# KiCad board lights.kicad_pcb (continued)
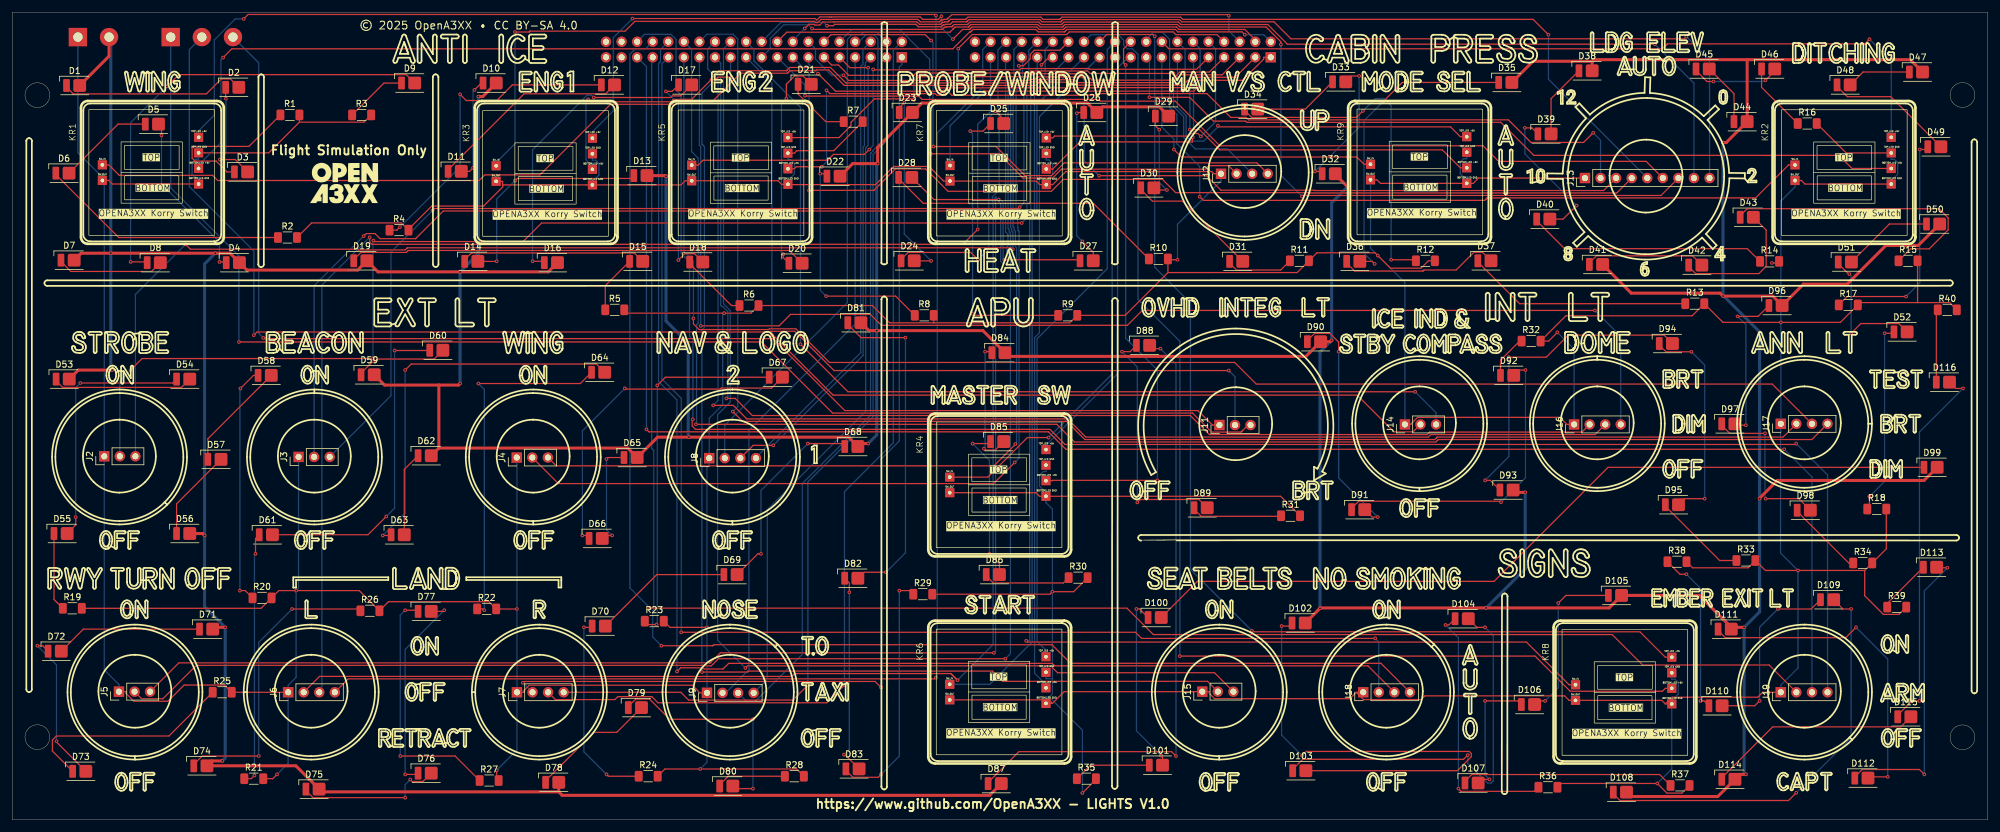
[diagram p0: board, top side]
## Routing (per net, layer and track width the routed paths; a pad name or vN(x,y) marks a point on that pad's centre or on a via; arc(x,y) is an arc through that point) (continued)
Net-(J1-Pin_6): length 146.9
  Top w0.2: 152.66,130.75 153.26,131.36 198.32,131.36 v1(198.48,131.19) ; 152.66,130.75 152.49,130.59 ; 152.66,130.75 152.49,130.59 ; 151.5,130.42 151.58,130.5 ; 151.5,130.42 151.58,130.5 ; 151.5,130.42 151.27,130.19 148.15,130.19 147.75,130.59 133.85,130.59 133.82,130.56 133.2,130.56 133.18,130.59 131.93,130.59 131.41,130.07 131.08,130.07 130.88,130.27 101.58,130.27 99.99,128.67 84.48,128.67 ; 151.58,130.5 151.85,130.5 151.94,130.59 152.49,130.59 ; 84.34,128.53 v1(82.02,128.53) ; 84.34,128.53 84.48,128.67 ; 84.34,128.53 84.48,128.67
  Bottom w0.2: KR3.5 78.95,107.23 82.02,110.3 v1(82.02,128.53) ; J1.6 198.48,128.71 v1(198.48,131.19)
Net-(J1-Pin_7): length 79.8
  Top w0.2: J1.7 195.31,122 190.47,122 190.08,121.61 190.08,121.54 189.21,120.67 176.18,120.67 175.13,121.72 166.43,121.72 165.96,121.24 v1(147.72,121.24) ; v1(147.09,117.45) 146.93,117.61 140.66,117.61 136.84,113.8 136.84,113.26 134.88,111.3 KR5.1
  Bottom w0.2: v1(147.09,117.45) 147.09,120.62 v1(147.72,121.24)
Net-(J1-Pin_8): length 92.8
  Top w0.2: 152,118.21 150.86,118.21 150.6,118.47 133.39,118.47 v1(132.85,119.01) ; 152,118.21 v1(152.2,118.41) ; 152,118.21 v1(152.2,118.41) ; 152,118.21 v1(152.2,118.41) ; v1(154.35,125.81) 154.35,125.84 156.62,128.12 172.02,128.12 172.45,128.54 189.4,128.54 189.85,128.09 196.56,128.09 J1.8 ; v1(132.06,106.54) 127.92,106.54 127.6,106.22 KR5.3
  Bottom w0.2: v1(132.85,119.01) 132.85,107.33 v1(132.06,106.54) ; v1(152.2,118.41) 152,118.21 v1(152.2,118.41) ; v1(152.2,118.41) 154.35,120.56 v1(154.35,125.81)
Net-(J1-Pin_9): length 99.1
  Top w0.2: J1.9 193.22,122.45 175.73,122.45 175.61,122.57 164.6,122.57 164.38,122.35 140.53,122.35 v1(140.46,122.43) ; v1(139.83,109.36) 139.03,108.56 133.98,108.56 133.02,107.61 112.71,107.61 111.9,106.8 KR5.5
  Bottom w0.2: v1(140.46,122.43) 140.46,109.98 v1(139.83,109.36)
Net-(J1-Pin_10): length 42.6
  Top w0.2: v1(193.91,111.49) 193.43,111.97 192.34,111.97 191.93,111.55 170.05,111.55 169.75,111.25 KR7.1
  Bottom w0.2: J1.10 196.32,125.79 196.32,113.9 v1(193.91,111.49)
Net-(J1-Pin_11): length 39.6
  Top w0.2: KR7.3 169.75,106.17 174.18,110.6 192.54,110.6 192.54,111.32 v1(192.59,111.37)
  Bottom w0.2: v1(192.59,111.37) 192.72,111.5 192.72,124.31 J1.11
Net-(J1-Pin_12): length 57.6
  Top w0.2: v1(193.41,119.5) 192.79,118.88 158.66,118.88 v1(158.59,118.81)
  Bottom w0.2: J1.12 193.79,125.78 193.79,119.88 v1(193.41,119.5) ; v1(158.59,118.81) 153,113.22 KR7.5
Net-(J1-Pin_13): length 61.6
  Top w0.2: KR9.1 236.25,111.45 234.65,113.05 196.7,113.05 v1(196.7,113.25)
  Bottom w0.2: v1(196.7,113.25) 196.7,113.05 194.36,110.71 192.34,110.71 191.52,111.54 191.52,114.85 190.09,116.28 J1.13
Net-(J1-Pin_14): length 62.9
  Top w0.2: KR9.3 236.25,106.37 233.32,109.3 197,109.3 193.69,112.6 v1(192.12,112.6)
  Bottom w0.2: v1(192.12,112.6) 192.12,119.17 191.36,119.93 191.36,125.67 J1.14
Net-(J1-Pin_15): length 48.9
  Top w0.2: KR9.5 220.55,106.95 219.36,108.14 190.74,108.14 v1(189.52,109.36)
  Bottom w0.2: J1.15 187.55,113.03 189.52,111.05 v1(189.52,109.36)
Net-(J1-Pin_16): length 134.3
  Top w0.2: 269.87,126.43 270.04,126.59 ; 269.87,126.43 269.23,125.79 188.7,125.79 J1.16 ; 269.87,126.43 270.04,126.59 ; 270.04,126.59 302.24,126.59 v1(303,127.35)
  Bottom w0.2: KR2.1 306.55,123.8 v1(303,127.35)
Net-(J1-Pin_17): length 132.6
  Top w0.2: v1(185.53,117.88) 192.08,117.88 195.97,113.99 201.22,113.99 201.42,113.79 242.85,113.79 248.24,108.4 298.02,108.4 300.16,106.26 KR2.3
  Bottom w0.2: v1(185.53,117.88) 185.53,123.88 J1.17
Net-(J1-Pin_18): length 132.9
  Top w0.2: 240.47,101.29 240.23,101.06 194.33,101.06 v1(193.73,101.66) ; 240.47,101.29 240.63,101.46 ; 240.47,101.29 240.63,101.46 ; KR2.5 289.8,106.84 284.42,101.46 240.63,101.46
  Bottom w0.2: v1(193.73,101.66) 193.73,106.57 190,110.3 190,115.03 188.82,116.22 188.82,127.33 187.66,128.49 186.17,128.49 185.01,127.33 J1.18
Net-(J1-Pin_19): length 70.2
  Bottom w0.2: KR4.1 168.65,61.45 169.01,61.45 180.33,72.77 180.33,122.67 182.06,124.4 J1.19
Net-(J1-Pin_20): length 92.5
  Top w0.2: KR4.3 169.7,55.32 169.76,55.38 v1(186.83,55.38) ; v1(181.66,123.14) 181.31,123.48 181.31,125.78 J1.20
  Bottom w0.2: v1(181.66,123.14) 181.66,78.56 186.83,73.38 v1(186.83,55.38)
Net-(J1-Pin_21): length 85.3
  Top w0.2: v1(169.07,62.36) 165.62,62.36 159.16,55.9 KR4.5
  Bottom w0.2: v1(169.07,62.36) 179.45,72.74 179.45,123.92 J1.21
Net-(J1-Pin_22): length 106.2
  Bottom w0.2: KR6.1 168.65,27.65 167.2,29.11 167.2,78.47 178.65,89.93 178.65,125.66 J1.22
Net-(J1-Pin_23): length 108.4
  Bottom w0.2: J1.23 177.27,124.4 167.57,114.71 167.57,79.45 166.79,78.67 166.79,23.9 168.12,22.57 168.65,22.57 KR6.3
Net-(J1-Pin_24): length 183.5
  Top w0.2: KR8.1 269.7,26.52 265.55,30.67 202.4,30.67 v1(202.25,30.82) ; J1.24 178.56,128.11 186.12,128.11 v1(186.4,127.83)
  Bottom w0.2: v1(202.25,30.82) 192.23,40.84 192.23,84.31 186.4,90.14 v1(186.4,127.83)
Net-(J1-Pin_25): length 115.2
  Bottom w0.2: J1.25 167.17,116.72 167.17,98.91 166.39,98.13 166.39,29.01 159.48,22.1 KR6.5
Net-(J1-Pin_26): length 194.9
  Top w0.2: v1(190.49,26.7) 248.44,26.7 254.17,20.97 269.23,20.97 269.7,21.44 KR8.3
  Bottom w0.2: v1(190.49,26.7) 190.49,78.07 183.67,84.89 183.67,124.87 182.75,125.79 181.93,125.79 181.32,126.4 181.32,127.19 180.42,128.09 176,128.09 J1.26
Net-(J1-Pin_27): length 191.6
  Top w0.2: KR8.5 254,22.02 247.03,28.99 165.62,28.99 v1(165.42,29.19)
  Bottom w0.2: 165.99,29.19 v1(165.42,29.19) 165.99,29.19 ; 165.99,29.19 165.99,98.29 166.42,98.72 166.77,99.07 166.77,118.86 J1.27
Net-(J1-Pin_28): length 215.1
  Top w0.2: 64.35,93.2 64.11,92.97 56.43,92.97 56.14,93.26 ; 64.35,93.2 64.46,93.32 ; 64.35,93.2 64.46,93.32 ; v1(28.27,93.88) 29.06,93.09 55.98,93.09 ; v1(163.26,93.06) 163,93.32 64.46,93.32 ; 56.14,93.26 55.98,93.09 ; 56.14,93.26 55.98,93.09 ; J1.28 170.92,125.55 166.75,125.55 166.08,124.88 166.08,124.14 164.96,123.02 v1(164.2,123.02)
  Bottom w0.2: v1(164.2,123.02) 164.37,122.85 164.37,121.3 162.89,119.82 162.89,119.25 162.89,96.62 163.06,96.45 163.06,96.07 163.26,95.87 v1(163.26,93.06) ; v1(28.27,93.88) 20.09,85.7 J2.3
Net-(J1-Pin_29): length 211
  Top w0.2: v1(167.92,123.17) 169.14,124.4 J1.29 ; v1(19.31,73.37) 21.18,75.25 v1(58.84,75.25) ; v1(58.92,94.5) 59.08,94.33 83.33,94.33 86.36,97.36 v1(164.69,97.36)
  Bottom w0.2: v1(164.69,97.36) 165.54,98.22 165.54,119.31 167.92,121.68 v1(167.92,123.17) ; v1(58.84,75.25) 58.84,94.42 v1(58.92,94.5) ; v1(19.31,73.37) 17.55,71.61 J2.2
Net-(J1-Pin_30): length 179.9
  Top w0.2: 65.97,94.97 70.32,99.32 v1(166.17,99.32) ; 65.97,94.97 65.8,94.81 ; 65.97,94.97 65.8,94.81 ; v1(57.33,95.22) 57.74,95.63 59.18,95.63 60.01,94.81 65.8,94.81
  Bottom w0.2: v1(57.33,95.22) 49.25,87.14 J3.2 ; J1.30 168.52,125.69 168.52,121.6 166.17,119.25 v1(166.17,99.32)
Net-(J1-Pin_31): length 168.8
  Top w0.2: v1(164.37,99.95) 164.14,99.73 68.88,99.73 v1(68.56,99.41)
  Bottom w0.2: v1(164.37,99.95) 165.04,100.63 165.04,120.13 167.23,122.31 J1.31 ; v1(68.56,99.41) 61.78,92.63 61.78,69.19 J3.3
Net-(J1-Pin_32): length 152.7
  Top w0.2: J4.2 89.1,54.85 160.1,54.85 v1(163.54,58.29)
  Bottom w0.2: 164.09,96.16 164.26,96 ; 164.09,96.16 164.09,96.54 164.04,96.6 164.04,99.43 163.77,99.71 163.77,118.99 164.6,119.83 164.6,120.39 165.84,121.64 165.84,125.55 J1.32 ; 164.09,96.16 164.26,96 ; 164.26,96 164.26,96 164.26,59.01 v1(163.54,58.29)
Net-(J1-Pin_33): length 142.4
  Top w0.2: J4.3 88.75,57.74 160.16,57.74 163.66,61.25 v1(163.66,61.3)
  Bottom w0.2: v1(163.66,61.3) 163.86,61.5 163.86,93.31 163.66,93.51 163.66,96.03 163.46,96.23 163.46,96.61 163.29,96.78 163.29,119.08 163.29,119.65 164.83,121.19 164.83,124.26 J1.33
Net-(J1-Pin_34): length 247.6
  Top w0.2: J5.2 21.11,19.74 24.58,19.74 30.04,25.2 112.84,25.2 112.93,25.1 114.03,25.1 115.2,26.27 v1(162.02,26.27)
  Bottom w0.2: J1.34 163.42,125.67 163.42,120.92 162.47,119.96 162.47,96.47 162.65,96.28 162.65,95.9 162.85,95.7 162.85,93.51 162.65,93.31 162.65,92.81 162.85,92.61 162.85,27.1 v1(162.02,26.27)
Net-(J1-Pin_35): length 261.1
  Top w0.2: 113.99,25.71 115.52,27.23 v1(160.16,27.23) ; 113.99,25.71 113.83,25.54 ; 113.99,25.71 113.83,25.54 ; J5.3 27.19,25.6 113.77,25.6 113.83,25.54
  Bottom w0.2: v1(160.16,27.23) 160.43,27.51 160.43,100.83 160.32,100.94 160.32,101.46 160.44,101.58 160.49,101.58 160.49,101.33 161.26,100.57 161.26,91.63 161.25,91.62 161.25,91.12 161.6,90.76 162.1,90.76 162.45,91.12 162.45,92.44 162.25,92.64 162.25,93.47 162.45,93.67 162.45,95.53 162.06,95.92 162.06,124.31 J1.35
Net-(J1-Pin_36): length 219.1
  Top w0.2: 153.22,23.78 v1(154.22,22.78) ; 153.22,23.78 153.14,23.85 127.62,23.85 127.46,23.69 ; 153.22,23.78 v1(154.22,22.78) ; 153.22,23.78 v1(154.22,22.78) ; J6.2 50.14,23.39 127.16,23.39 127.3,23.52 ; 127.46,23.69 127.3,23.52 ; 127.46,23.69 127.3,23.52
  Bottom w0.2: J1.36 160.82,125.61 160.82,116.07 161,115.88 161,102.75 159.92,101.66 159.92,100.77 160.03,100.66 160.03,28.59 v1(154.22,22.78)
Net-(J1-Pin_37): length 207.7
  Top w0.2: v1(58.32,95.03) 58.32,94.24 58.67,93.89 155.08,93.89 v1(157.51,96.31)
  Bottom w0.2: J6.3 50.52,21.23 50.52,87.23 v1(58.32,95.03) ; v1(157.51,96.31) 157.51,113.45 159.61,115.56 J1.37
Net-(J1-Pin_38): length 206.5
  Top w0.2: v1(150.7,23.2) 150.49,22.99 54.82,22.99 J6.4
  Bottom w0.2: v1(150.7,23.2) 150.92,23.41 150.92,112.06 158.34,119.49 158.34,125.67 J1.38
Net-(J10-Pin_1): length 165.4
  Top w0.2: v1(83.29,22.34) 83.52,22.56 140.77,22.56 v1(141.74,21.59)
  Bottom w0.2: v1(83.29,22.34) 83.34,22.34 J7.2 ; v1(141.74,21.59) 141.74,58.84 144.72,61.82 144.72,122.84 145.13,123.25 J10.1
Net-(J10-Pin_2): length 159.5
  Top w0.2: v1(135.77,21.96) 132.89,19.08 105.35,19.08 104.34,20.09 98.79,20.09 98.31,19.6 88.62,19.6 J7.3
  Bottom w0.2: J10.2 143.74,125.55 143.74,61.5 135.77,53.53 v1(135.77,21.96)
Net-(J10-Pin_3): length 149.1
  Top w0.2: J7.4 109.07,20.8 110.34,19.53 127.37,19.53 v1(129.8,21.96)
  Bottom w0.2: v1(129.8,21.96) 129.8,55.11 140.43,65.74 140.43,108.54 142.59,110.7 J10.3
Net-(J10-Pin_4): length 84.3
  Bottom w0.2: J10.4 141.03,128.5 138.93,128.5 138.7,128.26 ; 138.7,128.26 138.53,128.1 ; 138.7,128.26 138.53,128.1 ; 138.53,128.1 137.03,128.1 136.24,127.31 136.24,84.37 116.25,64.38 J8.2
Net-(J10-Pin_5): length 76.1
  Top w0.2: v1(124.16,61.09) 120.88,61.09 J8.3
  Bottom w0.2: v1(124.16,61.09) 138.83,75.76 138.83,109.78 139.03,109.98 139.03,122.96 139.19,123.12 139.19,123.54 J10.5
Net-(J10-Pin_6): length 75.7
  Bottom w0.2: J10.6 138.78,125.67 138.78,123.27 138.43,122.92 138.43,76.21 121.33,59.11 J8.4
Net-(J10-Pin_7): length 113
  Bottom w0.2: J10.7 137.51,80.86 120.17,63.53 120.17,25.06 120.22,25.01 120.22,24.52 116.4,20.7 J9.2
Net-(J10-Pin_8): length 124.1
  Bottom w0.2: J9.3 119.62,19.5 121.41,19.5 128.89,26.97 128.89,54.84 140.03,65.99 140.03,108.71 140.08,108.76 140.43,109.11 140.43,109.19 141.22,109.98 141.22,127.4 140.52,128.09 139.3,128.09 138.14,126.94 J10.8
Net-(J10-Pin_9): length 115.1
  Top w0.2: v1(139.63,122.71) 136.66,122.71 J10.9
  Bottom w0.2: J9.4 123.17,22.91 123.17,50.58 139.23,66.64 139.23,109.61 139.63,110.01 v1(139.63,122.71)
Net-(J10-Pin_10): length 86.2
  Top w0.2: 195.29,106.73 195.12,106.56 ; 195.29,106.73 198.42,106.73 J12.2 ; 195.29,106.73 195.12,106.56 ; 195.12,106.56 194.72,106.16 171.18,106.16 169.72,104.69 164.92,104.69 160.96,108.66 v1(149.86,108.66)
  Bottom w0.2: v1(149.86,108.66) 149.67,108.84 149.67,124.07 144.82,128.92 136.95,128.92 J10.10
Net-(J10-Pin_11): length 83.4
  Top w0.2: v1(189.45,121.77) 175.85,121.77 175.45,122.17 166.14,122.17 165.82,121.84 147.47,121.84 147.08,121.46 136.47,121.46 134.79,123.14 133.69,123.14 J10.11
  Bottom w0.2: J12.3 198.23,109.46 193.01,109.46 191.12,111.36 191.12,114.69 189.45,116.35 v1(189.45,121.77)
Net-(J10-Pin_12): length 93.9
  Top w0.2: J12.4 203.05,107.18 171.63,107.18 169.55,105.1 165.23,105.1 160.49,109.84 v1(150.31,109.84) ; J10.12 133.58,128.09 148.95,128.09 v1(149.91,127.14)
  Bottom w0.2: v1(150.31,109.84) 150.21,109.95 150.21,126.83 v1(149.91,127.14)
Net-(J10-Pin_13): length 143.5
  Top w0.2: v1(131.46,121.74) 134.32,118.87 150.77,118.87 151.03,118.61 151.53,118.61 151.93,119.01 152.46,119.01 153.27,118.21 176.89,118.21 177.15,118.48 194.9,118.48 198.79,114.6 201.28,114.6 201.69,114.19 244.1,114.19 247.78,110.51 256.36,110.51 v1(257.93,112.08)
  Bottom w0.2: J10.13 129.89,123.3 v1(131.46,121.74) ; v1(257.93,112.08) 259.13,110.87 J13.2
Net-(J10-Pin_14): length 152.3
  Top w0.2: v1(135.61,121.47) 136.46,120.62 165.9,120.62 166.08,120.8 166.84,120.8 167.08,121.03 ; v1(177.32,105.08) 194.83,105.08 197.2,102.71 212.44,102.71 212.49,102.67 259.64,102.67 J13.3 ; 167.08,121.03 167.24,121.2 ; 167.08,121.03 167.24,121.2 ; 167.24,121.2 174.75,121.2 v1(174.88,121.07)
  Bottom w0.2: v1(135.61,121.47) 133.65,121.47 131.04,124.07 131.04,125.79 J10.14 ; v1(177.32,105.08) 174.88,107.52 v1(174.88,121.07)
Net-(J10-Pin_15): length 162.7
  Top w0.2: v1(130,102.69) 140.57,102.69 144.07,106.19 149.02,106.19 152.66,102.54 169.54,102.54 171.48,104.48 187.65,104.48 189.82,102.31 211.45,102.31 211.5,102.26 261.77,102.26 J13.4
  Bottom w0.2: J10.15 130,121.75 v1(130,102.69)
Net-(J10-Pin_16): length 157.8
  Top w0.2: 155.68,130.72 155.55,130.59 ; 155.68,130.72 155.91,130.95 167.8,130.95 168.17,130.59 170.89,130.59 ; 155.68,130.72 155.55,130.59 ; 155.55,130.59 153.06,130.59 152.82,130.35 ; 151.75,130.1 152.02,130.1 152.1,130.19 152.66,130.19 ; 151.75,130.1 151.67,130.02 ; 151.75,130.1 151.67,130.02 ; 152.82,130.35 152.66,130.19 ; 152.82,130.35 152.66,130.19 ; 151.67,130.02 151.44,129.79 147.98,129.79 147.58,130.19 134.02,130.19 133.99,130.16 132.25,130.16 131.76,129.67 130.91,129.67 130.8,129.79 129.96,129.79 v1(129.29,129.11) ; 170.89,130.59 171.02,130.72 ; 170.89,130.59 171.02,130.72 ; 171.02,130.72 171.25,130.95 190.6,130.95 190.97,130.59 248.13,130.59 v1(250.63,128.09)
  Bottom w0.2: J13.5 250.63,120.82 v1(250.63,128.09) ; J10.16 127.35,127.17 v1(129.29,129.11)
Net-(J10-Pin_17): length 153.7
  Top w0.2: v1(129.33,118.14) 129.41,118.07 147.89,118.07 148.43,117.53 177.25,117.53 177.53,117.25 189.74,117.25 197.03,109.96 239.96,109.96 242.5,107.42 266.57,107.42 J13.6
  Bottom w0.2: J10.17 129.33,119.88 v1(129.33,118.14)
Net-(J10-Pin_18): length 174.8
  Top w0.2: J13.7 268.99,101.86 210.58,101.86 v1(210.43,101.71) ; 171.52,129.51 171.35,129.35 ; 171.52,129.51 171.75,129.75 190.1,129.75 190.5,129.35 204.55,129.35 206.98,126.92 v1(206.98,126.48) ; 171.52,129.51 171.35,129.35 ; 171.35,129.35 167.71,129.35 167.31,129.75 156.41,129.75 156.18,129.51 ; 153.46,128.98 152.98,128.5 126.37,128.5 J10.18 ; 153.46,128.98 153.59,129.11 ; 153.46,128.98 153.59,129.11 ; 153.59,129.11 153.83,129.35 156.01,129.35 ; 156.18,129.51 156.01,129.35 ; 156.18,129.51 156.01,129.35
  Bottom w0.2: v1(206.98,126.48) 206.98,105.16 v1(210.43,101.71)
Net-(J10-Pin_19): length 176.8
  Top w0.2: 153.3,129.38 152.44,129.38 152.35,129.3 152.08,129.3 ; 153.3,129.38 153.42,129.51 ; 153.3,129.38 153.42,129.51 ; 155.85,129.75 153.66,129.75 153.42,129.51 ; 155.85,129.75 156.01,129.91 ; 155.85,129.75 156.01,129.91 ; 152,129.22 152.08,129.3 ; 152,129.22 152.08,129.3 ; 152,129.22 151.74,128.95 130.63,128.95 v1(130.48,129.11) ; 171.35,129.91 171.18,129.75 ; 171.35,129.91 171.58,130.15 190.27,130.15 190.67,129.75 204.82,129.75 208.03,126.54 v1(268,126.54) ; 171.35,129.91 171.18,129.75 ; 171.18,129.75 167.87,129.75 167.47,130.15 156.25,130.15 156.01,129.91
  Bottom w0.2: J13.8 274.37,120.17 v1(268,126.54) ; J10.19 123.66,125.79 123.66,127.48 125.89,129.71 129.88,129.71 v1(130.48,129.11)
Net-(J10-Pin_20): length 180
  Top w0.2: v1(132.93,129.56) 133.95,129.56 134.18,129.79 147.42,129.79 147.82,129.38 151.6,129.38 151.84,129.62 ; 151.92,129.7 152.18,129.7 152.27,129.79 153.02,129.79 153.42,130.19 155.72,130.19 ; 151.92,129.7 151.84,129.62 ; 151.92,129.7 151.84,129.62 ; 155.85,130.32 155.72,130.19 ; 155.85,130.32 156.08,130.55 167.64,130.55 168,130.19 171.05,130.19 ; 155.85,130.32 155.72,130.19 ; 171.18,130.32 171.05,130.19 ; 171.18,130.32 171.05,130.19 ; 171.18,130.32 171.42,130.55 190.43,130.55 190.8,130.19 205.85,130.19 208.62,127.42 272.79,127.42 v1(273.14,127.77)
  Bottom w0.2: J10.20 125.44,130.11 132.37,130.11 v1(132.93,129.56) ; v1(273.14,127.77) 276.91,123.99 J13.9
Net-(J10-Pin_21): length 159.9
  Top w0.2: v1(123.94,79.1) 124.09,79.1 133.91,69.29 219.42,69.29 225.42,63.28 228.53,63.28 J14.2
  Bottom w0.2: v1(123.94,79.1) 123.94,120.19 J10.21
Net-(J10-Pin_22): length 163.3
  Top w0.2: v1(228.88,69.83) 136.35,69.83 v1(128.6,77.58)
  Bottom w0.2: J10.22 121,125.67 121,123.82 128.6,116.23 v1(128.6,77.58) ; v1(228.88,69.83) 232.29,66.42 J14.3
Net-(J10-Pin_23): length 189.8
  Top w0.2: v1(112.52,24.1) 119.99,24.1 120.15,24.26 159.93,24.26 161.6,22.59 195,22.59 J15.2 ; v1(114.5,120.55) 115.11,121.16 v1(117.31,121.16)
  Bottom w0.2: J10.23 117.19,121.28 v1(117.31,121.16) ; v1(112.52,24.1) 112.52,79.93 112.92,80.34 112.92,109.84 112.68,110.07 ; 112.68,110.07 112.52,110.24 ; 112.68,110.07 112.52,110.24 ; 112.52,110.24 112.52,118.57 v1(114.5,120.55)
Net-(J10-Pin_24): length 187.4
  Top w0.2: J15.3 196.14,23.99 170.54,23.99 169.7,24.82 169.7,24.94 169.53,25.11 119.96,25.11 v1(119.62,24.76)
  Bottom w0.2: v1(119.62,24.76) 115.08,29.3 115.08,66.1 117.15,68.17 117.15,83.07 116.04,84.18 116.04,125.79 J10.24
Net-(J10-Pin_25): length 200.9
  Top w0.2: 231.1,63.08 231.27,63.25 ; 231.1,63.08 231.27,63.25 ; 231.1,63.08 230.87,62.85 195.32,62.85 192.21,65.95 120.75,65.95 117.96,68.74 v1(116.5,68.74) ; 231.27,63.25 256.1,63.25 J16.2
  Bottom w0.2: v1(116.5,68.74) 116.74,68.98 116.74,82.9 115.92,83.73 115.78,83.73 115.59,83.91 115.59,123.46 J10.25
Net-(J10-Pin_26): length 209.4
  Top w0.2: J16.3 258.24,62.85 231.43,62.85 231.43,62.84 231.03,62.44 175.14,62.44 172.18,65.4 119.84,65.4 117.64,67.61 v1(114.36,67.61)
  Bottom w0.2: v1(114.36,67.61) 115.15,68.4 115.15,120.82 113.46,122.51 113.46,125.75 J10.26
Net-(J10-Pin_27): length 212.7
  Top w0.2: v1(112.31,80.58) 125.1,80.58 126.98,82.45 140.01,82.45 141.79,80.67 181.93,80.67 184.36,83.1 v1(258.21,83.1)
  Bottom w0.2: J16.4 262.43,78.87 v1(258.21,83.1) ; v1(112.31,80.58) 112.31,109.83 112.11,110.03 J10.27
Net-(J10-Pin_28): length 244.9
  Top w0.2: 232.32,62.27 232.09,62.04 174.98,62.04 172.02,65 119.16,65 v1(117.56,66.59) ; 232.32,62.27 232.49,62.44 ; 232.32,62.27 232.49,62.44 ; 232.49,62.44 288.92,62.44 J17.2
  Bottom w0.2: J10.28 113.34,128.17 117.59,128.17 118.36,127.4 118.36,67.39 v1(117.56,66.59)
Net-(J10-Pin_29): length 233.5
  Top w0.2: J17.3 287.14,71.08 202.96,71.08 199.43,74.61 133.33,74.61 127.84,80.1 123.52,80.1 123.4,79.98 112.06,79.98 111.13,80.92 v1(111.13,81.79)
  Bottom w0.2: v1(111.13,81.79) 111.13,91.17 109.57,92.72 J10.29
Net-(J10-Pin_30): length 250.8
  Top w0.2: 232.66,62.04 293.6,62.04 J17.4 ; 232.66,62.04 232.49,61.87 ; 232.66,62.04 232.49,61.87 ; 232.49,61.87 232.25,61.63 173.3,61.63 170.42,64.52 v1(111.54,64.52)
  Bottom w0.2: v1(111.54,64.52) 111.65,64.63 111.65,80.77 111.91,81.03 111.91,107.93 110.84,109 110.84,125.67 J10.30
Net-(J10-Pin_31): length 218.2
  Top w0.2: v1(109.14,30.59) 183.24,30.59 184.24,29.59 v1(222.37,29.59)
  Bottom w0.2: J10.31 107.03,124.4 106,123.37 106,71.9 109.14,68.77 v1(109.14,30.59) ; v1(222.37,29.59) 222.95,29.01 J18.2
Net-(J10-Pin_32): length 224.4
  Top w0.2: J18.3 221.18,25.11 170.09,25.11 169.69,25.51 116.89,25.51 115.97,24.59 112.87,24.59 112.67,24.79 109.05,24.79 v1(108.44,24.19)
  Bottom w0.2: v1(108.44,24.19) 108.44,68.5 105.45,71.49 105.45,123.39 105.76,123.7 105.76,125.67 J10.32
Net-(J10-Pin_33): length 222.8
  Top w0.2: v1(105.91,28.39) 105.91,28.39 114.29,28.39 ; 114.46,28.56 114.29,28.39 ; 114.46,28.56 169.63,28.56 172.66,25.52 223.31,25.52 J18.4 ; 114.46,28.56 114.29,28.39
  Bottom w0.2: J10.33 104.32,124.23 104.32,60.58 ; 104.32,60.58 104.49,60.41 ; 104.32,60.58 104.49,60.41 ; 104.49,60.41 104.67,60.23 104.67,34.28 104.49,34.1 104.49,29.81 v1(105.91,28.39)
Net-(J10-Pin_34): length 289
  Top w0.2: J19.2 286.63,25.25 266,25.25 261.03,30.21 186.16,30.21 181.85,34.53 v1(104.07,34.53)
  Bottom w0.2: J10.34 103.22,125.67 101.53,125.67 100.76,124.9 100.76,37.83 v1(104.07,34.53)
Net-(J10-Pin_35): length 289.8
  Top w0.2: v1(103.47,63.69) 103.87,63.29 169.04,63.29 171.89,60.45 v1(289.1,60.45)
  Bottom w0.2: J19.3 293.62,55.93 v1(289.1,60.45) ; v1(103.47,63.69) 103.47,122.88 J10.35
Net-(J10-Pin_36): length 295.6
  Top w0.2: v1(291.05,61.38) 290.91,61.23 171.75,61.23 169.29,63.69 111.48,63.69 110.94,64.24 110.94,65.24 v1(111.04,65.35)
  Bottom w0.2: v1(291.05,61.38) 296.16,56.27 J19.4 ; J10.36 103.15,128.14 107.46,128.14 108.3,127.3 108.3,119.07 109.13,118.25 109.13,92.4 110.5,91.03 110.5,78.88 111.04,78.34 v1(111.04,65.35)
Net-(J11-Pin_1): length 213
  Top w0.2: v1(40.96,78.62) 41.09,78.5 124.09,78.5 135.83,66.76 193.44,66.76 195.8,64.4 J11.1
  Bottom w0.2: v1(40.96,78.62) 40.21,79.37 40.21,123.5 J20.3
Net-(J11-Pin_2): length 225.1
  Top w0.2: v1(39.42,79.06) 39.93,79.58 123.57,79.58 123.69,79.7 127.66,79.7 134.07,73.29 v1(198.48,73.29)
  Bottom w0.2: J11.2 199.49,72.28 v1(198.48,73.29) ; J20.2 28.89,125.66 28.89,103.31 39.42,92.79 v1(39.42,79.06)
Net-(J11-Pin_3): length 226.2
  Top w0.2: 200.64,63.41 200.48,63.25 ; 200.64,63.41 201.63,64.4 J11.3 ; 200.64,63.41 200.48,63.25 ; 200.48,63.25 195.67,63.25 192.57,66.35 133.83,66.35 122.23,77.95 v1(36.98,77.95)
  Bottom w0.2: J20.1 25.85,103.13 36.98,92 v1(36.98,77.95)

## Text on the board
B.Silkscreen: © 2025 OpenA3XX • CC BY-SA 4.0 | Flight Simulation Only | https://www.github.com/OpenA3XX - LIGHTS V1.0
F.Silkscreen: © 2025 OpenA3XX • CC BY-SA 4.0 | Flight Simulation Only | https://www.github.com/OpenA3XX - LIGHTS V1.0
